# Altium PCB balenaFin_v1_x_x.PcbDoc (part 3 of 7) (continued)
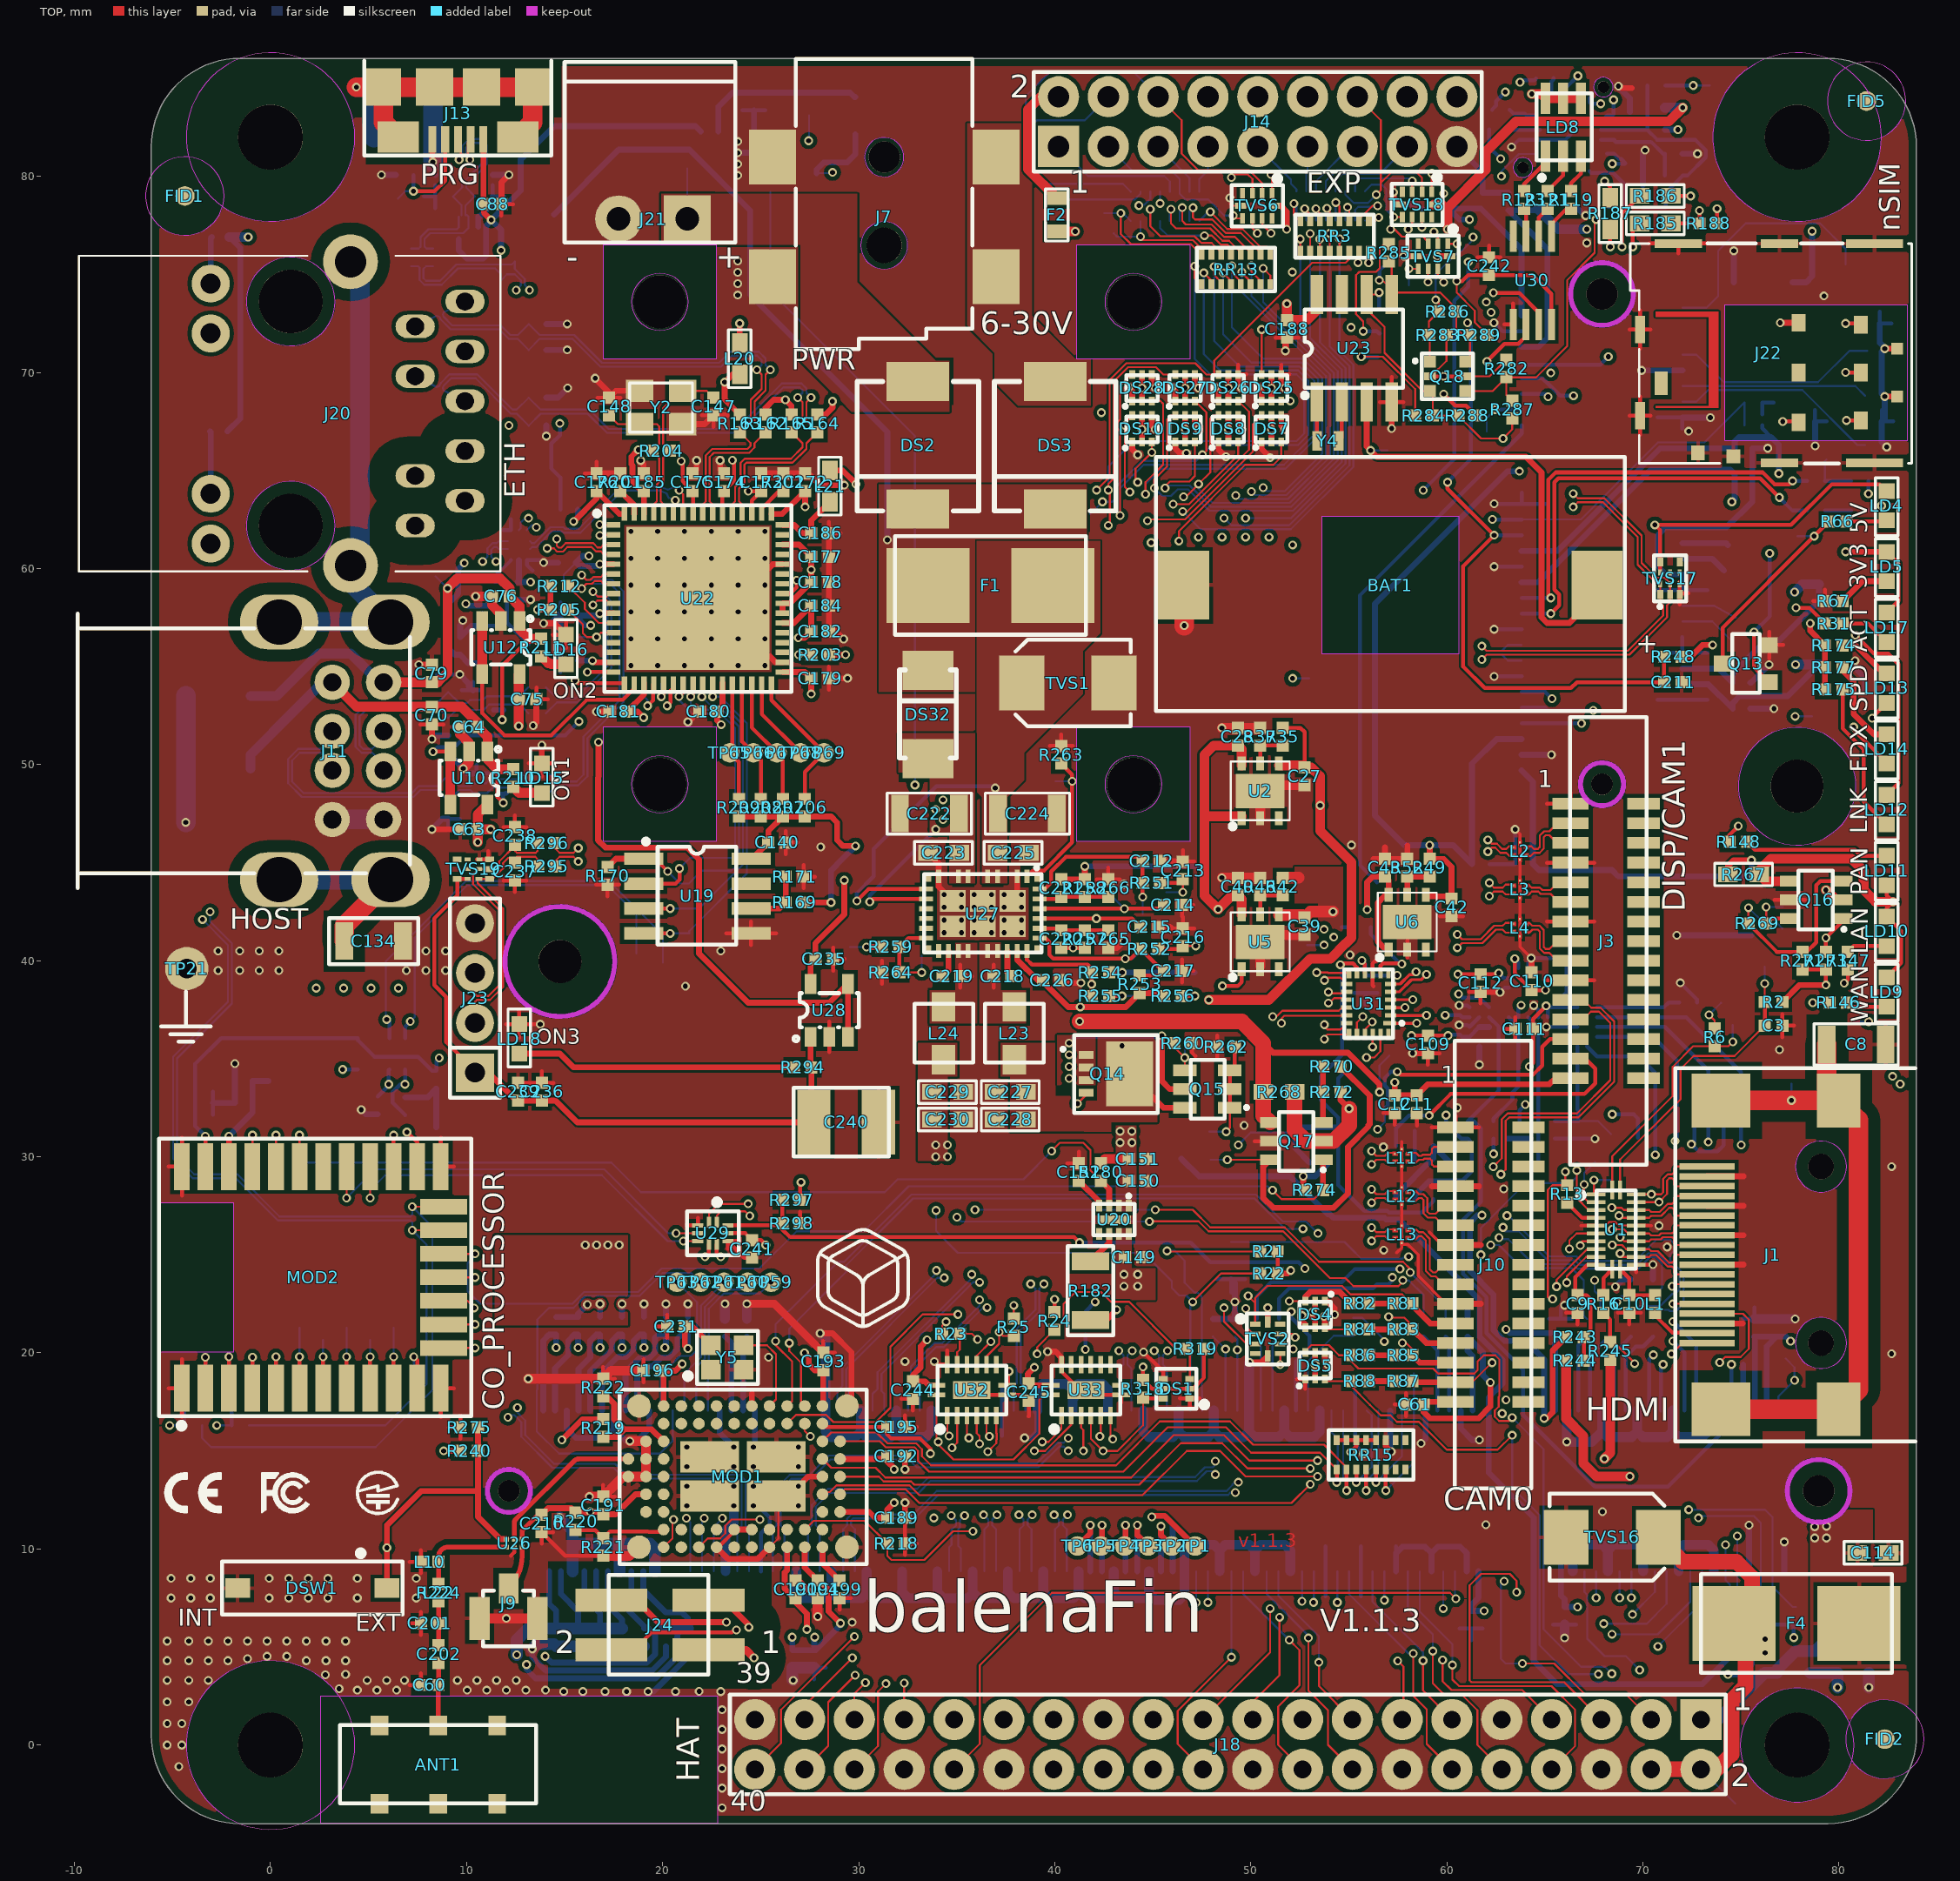
[diagram p0: TOP view]
## Nets (pads, with @x,y where several pads share a name; then routed paths per layer and width w, separated by ;. In a path a pad name is that pad's centre, name@x,y a point inside that pad or via, vN(x,y) a via of type N, cw(c..) or ccw(c..) an arc to the next point about the centre after c; other vN are vias at no path point) (continued)
  TOP w0.1: MOD1.C2@27.25,16.39 27.25,16.02 v1(27.535,15.735)
  INT1 w0.1: v1(62.819,16.904) 62.63,17.094 62.63,17.93 67.53,22.83 v1(67.53,23.7)
  INT2 w0.1: v1(27.535,15.735) 27.535,15.785 28.65,16.9 30.43,16.9 33.23,14.1 33.23,11.658 35.665,9.223 45.98,9.223 46.457,9.7 58.781,9.7 62.63,13.549 62.63,16.6 62.819,16.789 v1(62.819,16.904)
  BOTTOM w0.1: v1(67.53,23.7) 67.53,23.15 pad.1@67.83,22.85 67.83,22.17 R11.2@68.27,21.73
BT_PCM_SYNC: MOD1.D2 R10.2 U33.3 | length 79.3
  TOP w0.1: MOD1.D2@26.35,16.39 26.8,16.84 28.337,16.84 28.707,16.47 30.878,16.47 31.614,17.206 31.614,20.314 33.26,21.96 v1(35.06,21.96) ; v1(38.96,15) 39.5,15 40.84,16.34 U33.3@40.84,16.8
  INT1 w0.1: v1(63.013,17.6) 63.013,18.03 67.583,22.6 v1(68.666,22.6)
  INT2 w0.1: v1(35.06,21.96) 35.06,21.36 33.935,20.235 33.905,20.235 33.685,20.015 33.685,19.985 33.284,19.584 33.284,14.706 35.054,12.936 35.054,12.794 v1(33.839,11.579) 35.995,9.423 45.897,9.423 46.374,9.9 58.698,9.9 62.43,13.632 62.43,17.2 62.83,17.6 v1(63.013,17.6)
  INT4 w0.1: v1(33.839,11.579) 34.068,11.579 34.564,12.076 35.175,12.076 38.1,15 v1(38.96,15)
  BOTTOM w0.2: v1(68.666,22.6) 68.916,22.85 R10.2@69.39,22.85
BT_PCM_SYNC_I2C_SCL: R9.2 U33.4 | length 44.5
  TOP w0.1: U33.4@41.34,16.8 41.34,16.18 41.46,16.06 v1(41.46,15)
  INT4 w0.1: v1(41.46,15) 41.835,14.625 43.125,14.625 47.125,18.625 57.785,18.625 61.16,22 61.16,24.96 62.6,26.4 v1(62.86,26.4)
  BOTTOM w0.1: v1(62.86,26.4) 62.86,26.3 62.96,26.2 63.66,26.2 65.135,24.725 66.521,24.725 66.756,24.49 69.687,24.49 70.272,25.075 70.748,25.075 71.865,23.958 71.865,23.235 71.645,23.015 71.507,23.015 70.882,22.39 69.85,22.39 69.39,21.93 R9.2@69.39,21.73
CAM0_CN: J2.144 U31.14 | length 34.8
  TOP w0.1: v1(53.96,38.4) 54.025,38.335 54.817,38.335 U31.14@54.892,38.41
  INT1 w0.1: v1(35.76,24) 36.022,24.262 36.322,24.262 39.51,27.45 43.457,27.45 52.66,36.654 52.66,37.677 53.186,38.201 53.753,38.2 53.803,38.249 53.809,38.249 v1(53.96,38.4)
  BOTTOM w0.1: J2.144@30.71,17.06 30.71,17.91 30.96,18.16 30.96,19.008 35.76,23.808 v1(35.76,24)
CAM0_CP: J2.142 U31.15 | length 34.5
  TOP w0.1: v1(53.959,37.842) 54.002,37.842 54.245,38.085 54.817,38.085 U31.15@54.892,38.01
  INT1 w0.1: v1(36.16,23.6) 36.422,23.862 36.422,24.079 39.593,27.25 43.539,27.25 52.86,36.571 52.86,37.594 53.268,38.001 53.802,37.999 v1(53.959,37.842)
  BOTTOM w0.1: J2.142@31.31,17.06 31.31,17.91 31.16,18.06 31.16,18.925 35.835,23.6 v1(36.16,23.6)
CAM0_DN0: J2.138 U31.12 | length 35.5
  TOP w0.1: v1(53.36,39.4) 53.926,39.4 53.947,39.378 U31.12@55.01,39.378
  INT3 w0.1: v1(36.16,22.7) 36.182,22.722 36.482,22.722 37.01,23.25 37.01,25.104 42.26,30.354 42.26,32.283 43.577,33.6 46.305,33.6 51.308,38.603 52.763,38.603 53.16,39 53.16,39.2 v1(53.36,39.4)
  BOTTOM w0.1: J2.138@32.51,17.06 32.51,18.01 32.66,18.16 32.66,19.3 33.86,20.5 34.26,20.5 36.16,22.4 v1(36.16,22.7)
CAM0_DN1: J2.150 U31.16 | length 35.9
  TOP w0.1: v1(51.12,37.148) 51.29,37.148 51.308,37.166 51.33,37.166 51.606,37.442 54.482,37.442 54.65,37.61 U31.16@54.892,37.61
  INT1 w0.1: v1(33.96,24.2) 34.235,24.475 34.434,24.475 38.31,28.35 42.636,28.35 50.928,36.641 50.928,36.892 v1(51.12,37.148)
  BOTTOM w0.1: J2.150@28.91,17.06 28.91,18.06 29.16,18.31 29.16,19.26 33.96,24.06 v1(33.96,24.2)
CAM0_DP0: J2.136 U31.13 | length 35
  TOP w0.1: v1(53.76,39) 53.889,39.128 54.573,39.128 U31.13@54.892,38.81
  INT3 w0.1: v1(36.549,22.311) 36.549,22.506 37.21,23.167 37.21,25.021 42.46,30.271 42.46,32.2 43.66,33.4 46.388,33.4 51.391,38.403 52.846,38.403 53.343,38.9 53.66,38.9 v1(53.76,39)
  BOTTOM w0.1: J2.136@33.11,17.06 33.11,17.91 32.86,18.16 32.86,19.217 33.943,20.3 34.343,20.3 36.354,22.311 v1(36.549,22.311)
CAM0_DP1: J2.148 U31.17 | length 35.5
  TOP w0.1: v1(51.56,36.818) 51.56,37.042 51.71,37.192 54.586,37.192 54.641,37.247 54.854,37.247 U31.17@54.892,37.21
  INT1 w0.1: v1(34.361,23.824) 34.623,24.086 34.623,24.38 38.393,28.15 42.719,28.15 51.048,36.478 51.118,36.478 51.328,36.508 v1(51.56,36.818)
  BOTTOM w0.1: J2.148@29.51,17.06 29.51,18.06 29.36,18.21 29.36,18.227 29.36,18.229 29.36,19.177 34.007,23.824 v1(34.361,23.824)
CAM0_SCL: DS1.3 R24.2 R319.2 U33.2 | length 19
  TOP w0.1: v1(39.099,19.947) 39.099,20.289 R24.2@39.99,21.18 40.45,21.64 40.45,22.495 41.06,23.105 42.355,23.105 42.86,22.6 43.793,22.6 46.193,20.2 R319.2@46.71,20.2 46.885,20.025 DS1.3@46.885,18.67 ; v1(39.36,15.46) 39.677,15.46 40.34,16.123 U33.2@40.34,16.8
  INT4 w0.1: v1(39.099,19.947) 39.36,19.686 v1(39.36,15.46)
CAM0_SCL_EXT: R23.1 TVS2.8 U32.14 | length 28
  TOP w0.1: U32.14@35.02,19.4 35.02,20.027 35.16,20.167 R23.1@35.16,20.97 35.775,20.97 v1(36.06,20.685) ; TVS2.8@51.5,20.96 52.1,20.96 v1(52.26,20.8)
  INT3 w0.1: v1(36.06,20.685) 36.06,20.36 37.26,19.16 37.26,14.86 37.895,14.225 45.902,14.225 50.925,19.248 50.925,19.638 52.087,20.8 v1(52.26,20.8)
CAM0_SDA: DS1.6 R26.2 R318.2 U33.5 | length 13.4
  TOP w0.1: U33.5@41.84,16.8 41.84,15.62 v1(42.46,15) 43.2,15 44.5,16.3 R318.2@44.5,17.72
  TOP w0.2: R318.2@44.5,17.72 44.55,17.67 DS1.6@45.535,17.67
  INT3 w0.1: v1(41.56,20.175) 41.56,15.9 v1(42.46,15)
  BOTTOM w0.2: v1(41.56,20.175) R26.2@41.56,20.95
CAM0_SDA_EXT: R25.1 TVS2.7 U32.11 | length 30.1
  TOP w0.1: U32.11@36.52,19.4 36.52,19.82 37.16,20.46 v1(37.16,21.06) 37.36,20.86 R25.1@37.91,20.86 ; TVS2.7@51.5,20.46 51.9,20.46 v1(52.16,20.2)
  INT3 w0.1: v1(37.16,21.06) 35.905,21.06 35.685,20.84 35.685,20.435 37.06,19.06 37.06,14.4 37.435,14.025 45.985,14.025 51.125,19.165 51.125,19.555 51.77,20.2 v1(52.16,20.2)
CAM1_CK+_EXT: J10.9 L13.1 | length 4.4
  TOP w0.1: L13.1@58.03,25.85 58.08,25.8 58.417,25.8 58.567,25.95 58.709,25.95 58.93,25.729 58.93,24.175 59.206,23.9 59.43,23.9 59.83,23.5 J10.9@60.438,23.5
CAM1_CK-_EXT: J10.8 L13.2 | length 4.4
  TOP w0.1: L13.2@58.02,26.25 58.07,26.3 58.417,26.3 58.567,26.15 58.791,26.15 59.13,25.811 59.13,24.258 59.288,24.1 59.43,24.1 59.83,24.5 J10.8@60.438,24.5
CAM1_CN: J2.149 L13.4 | length 42.2
  TOP w0.1: v1(56.16,26.391) 56.401,26.15 56.842,26.15 56.992,26.3 57.3,26.3 L13.4@57.35,26.25
  INT1 w0.1: v1(49.368,13.402) 49.57,13.2 50.347,13.2 56.08,18.933 56.08,24 55.478,24.602 55.478,25.933 55.695,26.15 55.92,26.15 v1(56.16,26.391)
  BOTTOM w0.1: J2.149@29.21,8.86 29.21,11.008 29.41,11.208 29.41,11.543 29.627,11.76 32.777,11.76 33.977,12.96 48.765,12.96 49.069,13.264 49.069,13.301 49.17,13.402 v1(49.368,13.402)
CAM1_CP: J2.147 L13.3 | length 41.7
  TOP w0.1: v1(56.16,25.709) 56.401,25.95 56.842,25.95 56.992,25.8 57.3,25.8 L13.3@57.35,25.85
  INT1 w0.1: v1(49.21,12.875) 49.335,13 50.43,13 56.28,18.85 56.28,24.083 55.678,24.685 55.678,25.85 55.778,25.95 55.92,25.95 v1(56.16,25.709)
  BOTTOM w0.1: J2.147@29.81,8.86 29.81,11.008 29.61,11.208 29.61,11.46 29.71,11.56 32.86,11.56 34.06,12.76 48.848,12.76 48.963,12.875 v1(49.21,12.875)
CAM1_D0+_EXT: J10.3 L11.1 | length 2.8
  TOP w0.1: L11.1@58.03,29.75 58.08,29.7 58.417,29.7 58.567,29.85 58.791,29.85 58.841,29.9 59.136,29.9 59.236,29.8 59.236,29.6 59.335,29.5 J10.3@60.438,29.5
CAM1_D0-_EXT: J10.2 L11.2 | length 2.8
  TOP w0.1: L11.2@58.02,30.15 58.07,30.2 58.417,30.2 58.567,30.05 58.709,30.05 58.759,30.1 59.136,30.1 59.236,30.2 59.236,30.4 59.335,30.5 J10.2@60.438,30.5
CAM1_D1+_EXT: J10.6 L12.1 | length 3.5
  TOP w0.1: L12.1@58.03,27.8 58.08,27.75 58.417,27.75 58.567,27.9 58.709,27.9 58.809,27.8 58.809,27.117 59.026,26.9 59.43,26.9 59.83,26.5 J10.6@60.438,26.5
CAM1_D1-_EXT: J10.5 L12.2 | length 3.5
  TOP w0.1: L12.2@58.02,28.2 58.07,28.25 58.417,28.25 58.567,28.1 58.791,28.1 59.009,27.883 59.009,27.2 59.109,27.1 59.43,27.1 59.83,27.5 J10.5@60.438,27.5
CAM1_DN0: J2.161 L11.4 | length 46.1
  TOP w0.1: v1(56.16,30.291) 56.401,30.05 56.842,30.05 56.992,30.2 57.3,30.2 L11.4@57.35,30.15
  INT1 w0.1: v1(40.689,15.653) 40.889,15.453 41.031,15.453 41.957,16.38 45.49,16.38 47.33,18.22 47.33,21 47.73,21.4 47.73,22.783 54.997,30.05 55.92,30.05 v1(56.16,30.291)
  BOTTOM w0.1: J2.161@25.61,8.86 25.61,11.008 25.81,11.208 25.81,13.11 26.475,13.775 27.492,13.775 28.477,14.76 32.643,14.76 33.043,14.36 39.077,14.36 40.137,15.419 40.456,15.419 v1(40.689,15.653)
CAM1_DN1: J2.155 L12.4 | length 46.3
  TOP w0.1: v1(56.16,28.34) 56.401,28.1 56.842,28.1 56.992,28.25 57.3,28.25 L12.4@57.35,28.2
  INT1 w0.1: v1(48.191,14.476) 48.467,14.2 50.387,14.2 55.23,19.043 55.23,23.617 54.53,24.317 54.53,27.5 55.13,28.1 55.92,28.1 v1(56.16,28.34)
  BOTTOM w0.1: J2.155@27.41,8.86 27.41,11.008 27.61,11.208 27.61,12.243 28.427,13.06 32.977,13.06 33.577,13.66 47.16,13.66 47.66,14.16 48.06,14.16 48.191,14.291 v1(48.191,14.476)
CAM1_DP0: J2.159 L11.3 | length 45.8
  TOP w0.1: v1(56.16,29.609) 56.401,29.85 56.842,29.85 56.992,29.7 57.3,29.7 L11.3@57.35,29.75
  INT1 w0.1: v1(40.689,15) 40.717,15 40.9,15.182 41.043,15.182 42.04,16.18 45.573,16.18 47.53,18.137 47.53,20.917 47.93,21.317 47.93,22.7 55.08,29.85 55.92,29.85 v1(56.16,29.609)
  BOTTOM w0.1: J2.159@26.21,8.86 26.21,11.008 26.01,11.208 26.01,13.027 26.558,13.575 27.575,13.575 28.56,14.56 32.56,14.56 32.96,14.16 39.16,14.16 40.22,15.219 40.461,15.219 40.681,15 v1(40.689,15)
CAM1_DP1: J2.153 L12.3 | length 45.8
  TOP w0.1: v1(56.16,27.66) 56.401,27.9 56.842,27.9 56.992,27.75 57.3,27.75 L12.3@57.35,27.8
  INT1 w0.1: v1(48.191,13.795) 48.396,14 50.47,14 55.43,18.96 55.43,23.7 54.73,24.4 54.73,27.417 55.213,27.9 55.92,27.9 v1(56.16,27.66)
  BOTTOM w0.1: J2.153@28.01,8.86 28.01,11.008 27.81,11.208 27.81,12.16 28.51,12.86 33.06,12.86 33.66,13.46 47.243,13.46 47.743,13.96 48.026,13.96 v1(48.191,13.795)
CAM1_IO0: DS4.3 J2.82 R18.2 R82.2 | length 11.2
  TOP w0.1: v1(51.959,22.641) 51.965,22.635 DS4.3@52.78,22.635
  TOP w0.3: DS4.3@52.78,22.635 52.78,22.864 53.026,23.11 54.53,23.11 R82.2@55.12,22.52
  INT1 w0.1: v1(49.31,20.149) 49.467,20.149 v1(51.959,22.641)
  BOTTOM w0.1: R18.2@49.19,20.83 49.31,20.71 v1(49.31,20.149) J2.82@49.31,17.06
CAM1_IO0_EXT: J10.11 R81.1 TVS2.1 U32.2 | length 33.8
  TOP w0.1: U32.2@34.52,16.8 34.52,15.85 v1(34.61,15.76) ; v1(49.86,22.9) 50.22,22.54 ; TVS2.1@50.22,21.46 50.22,22.54 ; R81.1@58.24,22.52 58.172,22.52 57.712,22.98 55.084,22.98 54.654,23.41 50.84,23.41 50.22,22.79 50.22,22.54
  TOP w0.3: R81.1@58.24,22.52 58.24,22.41 59.15,21.5 J10.11@60.438,21.5
  INT4 w0.1: v1(34.61,15.76) 34.62,15.77 34.62,17.926 37.782,21.087 40.423,21.087 40.636,21.3 46.611,21.3 47.511,22.2 47.96,22.2 48.735,22.975 49.785,22.975 v1(49.86,22.9)
CAM1_IO1: DS4.6 J2.84 R20.2 R84.2 | length 12.1
  TOP w0.1: DS4.6@53.78,21.285 53.865,21.2 R84.2@55.12,21.2
  TOP w0.3: v1(53.73,21.862) 53.73,21.8 53.78,21.75 DS4.6@53.78,21.285
  INT1 w0.1: v1(48.71,20.19) 48.738,20.19 49.155,19.774 49.465,19.774 50.992,21.3 53.23,21.3 53.73,21.8 v1(53.73,21.862)
  BOTTOM w0.1: R20.2@48.07,20.83 v1(48.71,20.19) J2.84@48.71,17.06
CAM1_IO1_EXT: J10.12 R83.1 TVS2.2 U32.5 | length 34.5
  TOP w0.1: U32.5@36.02,16.8 36.02,15.902 36.16,15.762 v1(36.16,15.36) ; v1(49.739,22.261) 49.739,21.339 50.118,20.96 TVS2.2@50.22,20.96 ; v1(57.03,21.835) 57.03,21.8 57.83,21.8 58.24,21.39 R83.1@58.24,21.2
  TOP w0.3: R83.1@58.24,21.2 58.94,20.5 J10.12@60.438,20.5
  INT2 w0.1: v1(49.739,22.261) 49.819,22.261 50.733,23.175 56.672,23.175 57.03,22.817 v1(57.03,21.835)
  INT4 w0.1: v1(36.16,15.36) 36.16,18.9 37.948,20.687 40.589,20.687 40.802,20.9 46.777,20.9 47.677,21.8 49.278,21.8 v1(49.739,22.261)
CAM1_SCL_EXT: J10.13 R85.1 TVS2.3 U32.3 | length 38.2
  TOP w0.1: v1(34.76,15.16) 35.02,15.42 U32.3@35.02,16.8 ; v1(48.63,22.3) 48.63,21.6 49.77,20.46 TVS2.3@50.22,20.46 ; v1(57.73,20.505) 57.73,20.5 57.93,20.5 58.24,20.19 R85.1@58.24,19.88
  TOP w0.3: R85.1@58.24,19.88 58.62,19.5 J10.13@60.438,19.5
  INT2 w0.1: v1(48.63,22.3) 48.63,22.6 49.405,23.375 56.755,23.375 57.73,22.4 v1(57.73,20.505)
  INT4 w0.1: v1(34.76,15.16) 35.06,15.46 35.06,18.083 37.865,20.887 40.506,20.887 40.719,21.1 46.694,21.1 47.594,22 48.33,22 v1(48.63,22.3)
CAM1_SDA_EXT: J10.14 R87.1 TVS2.6 U32.6 | length 48.4
  TOP w0.1: U32.6@36.52,16.8 36.52,15.875 v1(36.66,15.735) ; v1(51.5,19.4) TVS2.6@51.5,19.96 ; J10.14@60.438,18.5 61.29,18.5 62.29,19.5 v1(62.305,19.5)
  TOP w0.3: R87.1@58.24,18.56 58.3,18.5 J10.14@60.438,18.5
  INT2 w0.1: v1(51.5,19.4) 50.63,19.4 48.255,21.775 48.255,22.508 49.447,23.7 56.83,23.7 57.73,22.8 60.43,22.8 62.305,20.925 v1(62.305,19.5)
  INT4 w0.1: v1(36.66,15.735) 36.66,19.117 38.03,20.488 40.672,20.488 40.885,20.7 46.86,20.7 47.76,21.6 49.3,21.6 v1(51.5,19.4)
CAM_DIS_PIN11: J3.11 U32.4 | length 51.5
  TOP w0.1: U32.4@35.52,16.8 35.52,15.76 v1(35.62,15.66) ; v1(62.755,29.105) 63,29.35 63,31.83 63.18,32.01 66.713,32.01 68.53,33.827 68.53,36.904 67.834,37.6 67.37,37.6 66.97,38 J3.11@66.308,38
  INT2 w0.1: v1(35.62,15.66) 35.62,17.537 43.983,25.9 49.713,25.9 50.613,26.8 51.293,26.8 55.403,30.91 60.533,30.91 61.706,29.737 61.706,29.604 62.205,29.105 v1(62.755,29.105)
CAM_DIS_PIN12: J3.12 U32.7 | length 53.8
  TOP w0.1: v1(36.585,14.96) 37.02,15.395 37.02,15.565 37.035,15.58 37.035,15.89 37.02,15.905 U32.7@37.02,16.8 ; v1(62.366,29.494) 62.8,29.928 62.8,31.913 63.097,32.21 66.63,32.21 68.33,33.91 68.33,36.821 67.751,37.4 67.35,37.4 66.95,37 J3.12@66.308,37
  INT2 w0.1: v1(36.585,14.96) 35.79,14.96 35.245,15.505 35.245,17.445 43.9,26.1 49.63,26.1 50.53,27 51.21,27 55.985,31.775 56.615,31.775 57.28,31.11 60.616,31.11 61.847,29.879 61.981,29.879 v1(62.366,29.494)
CAM_DIS_PIN13: J3.13 Q21.3 U32.12 | length 50.5
  TOP w0.1: U32.12@36.02,19.4 36.02,19.856 v1(36.742,20.578)
  TOP w0.2: v1(57.468,34.335) 57.628,34.175 64.384,34.175 64.86,34.651 64.86,35.6 65.26,36 J3.13@66.308,36
  INT3 w0.1: v1(36.742,20.578) 37.342,20.578 38.06,19.86 38.06,15.26 38.695,14.625 44.385,14.625 47.66,17.9 47.66,22.5 53.96,28.8 53.96,29.8 55.26,31.1 56.16,31.1 v1(56.46,31.4)
  BOTTOM w0.1: v1(56.46,31.4) 56.83,31.77 Q21.3@56.83,32.45
  BOTTOM w0.2: Q21.3@56.83,32.45 56.985,32.605 56.985,33.476 56.83,33.631 56.83,34.017 57.148,34.335 v1(57.468,34.335)
CAM_DIS_PIN14: J3.14 Q20.4 U32.9 | length 51.4
  TOP w0.1: U32.9@37.57,18.35 37.67,18.45 37.67,18.593 37.667,18.597 v1(37.667,19.053)
  TOP w0.2: v1(59.095,32.105) 60.19,33.2 67.015,33.2 67.56,33.745 67.56,34.5 67.06,35 J3.14@66.308,35
  INT3 w0.1: v1(37.667,19.053) 37.667,14.736 37.978,14.425 44.468,14.425 47.86,17.817 47.86,22.417 54.16,28.717 54.16,29.717 55.343,30.9 57.843,30.9 59.048,32.105 v1(59.095,32.105)
  BOTTOM w0.2: Q20.4@57.41,30.55 57.41,31.45 58.06,32.1 59.06,32.1 59.065,32.105 v1(59.095,32.105)
CM3_RX: R15.2 U29.2 | length 42.8
  TOP w0.1: U29.2@22.36,26.668 22.36,27.1 22.86,27.6 v1(24.36,27.6) ; v1(44.83,26.7) 44.839,26.709 47.339,26.709 47.847,26.2 51.645,26.2 54.035,23.81 54.82,23.81 55.23,23.4 57.53,23.4 57.745,23.615 v1(57.745,23.696)
  INT1 w0.1: v1(24.36,27.6) 27.76,24.2 31.33,24.2 33.73,26.6 34.7,26.6 v1(35.015,26.915)
  BOTTOM w0.1: v1(35.015,26.915) 35.23,26.7 v1(44.83,26.7) ; v1(57.745,23.696) 58.065,23.696 58.81,22.95 R15.2@58.81,21.73
CM3_TX: R14.2 U29.1 | length 43
  TOP w0.1: U29.1@22.76,26.668 22.76,27 22.98,27.22 24.209,27.22 v1(24.445,26.985) ; v1(45.13,27.3) 47.03,27.3 47.93,26.4 51.728,26.4 53.477,24.651 57.761,24.651 58.13,24.282 v1(58.13,24.1)
  INT1 w0.1: v1(24.445,26.985) 27.43,24 31.413,24 33.813,26.4 35.03,26.4 v1(35.93,27.3)
  BOTTOM w0.1: v1(35.93,27.3) v1(45.13,27.3) ; v1(58.13,24.1) 59.93,22.3 R14.2@59.93,21.73
D+_DBG: C87.1 J13.3 R115.2 TVS5.2 | length 11.9
  TOP w0.1: J13.3@9.56,81.875 9.71,81.725 9.71,80.939 v1(9.619,80.848)
  BOTTOM w0.1: R115.2@8.29,76.31 7.957,76.31 7.857,76.41 7.857,76.814 8.143,77.1 9.83,77.1 10.1,77.37 TVS5.2@10.1,77.42 TVS5.2@10.1,77.945 10.018,78.027 9.943,78.027 9.943,78.513 10.4,78.97 C87.1@10.43,78.97 9.986,79.414 9.986,79.556 10.94,80.51 10.94,80.527 11.03,80.617 11.03,81.583 10.713,81.9 10.13,81.9 9.78,81.55 9.78,81.009 v1(9.619,80.848)
D+_HOST1: C69.1 J11.3 R91.2 TVS3.2 | length 17.1
  BOTTOM w0.1: J11.3@3.15,49.7 3.15,50.02 2.57,50.6 1.5,50.6 1.1,50.2 1.1,49.13 1.68,48.55 7.21,48.55 7.56,48.9 8.51,48.9 C69.1@9.07,49.46 9.63,48.9 10.2,48.9 10.35,49.05 TVS3.2@10.425,49.05 TVS3.2@10.95,49.05 11,49.05 11.207,49.257 12.687,49.257 R91.2@13.13,49.7
D+_HOST2: C78.1 J11.7 R109.2 TVS4.2 | length 13.6
  BOTTOM w0.1: J11.7@5.77,49.7 5.77,50.02 5.19,50.6 4.646,50.6 4.34,50.906 4.34,52.533 4.947,53.14 8.51,53.14 C78.1@9.07,53.7 9.63,53.14 10.03,53.14 10.18,53.29 TVS4.2@10.25,53.29 10.775,53.3 TVS4.2@10.8,53.3 ; TVS4.2@10.775,53.29 10.825,53.29 11.025,53.49 12.69,53.49 12.7,53.5 R109.2@13.15,53.94
D+_HOST_INT: C238.1 J23.3 R296.2 TVS19.2 | length 13.6
  TOP w0.1: J23.3@10.43,39.37 10.43,38.3 10.53,38.2 11.117,38.2 11.66,38.743 11.66,42.577 10.33,43.907 10.33,44.4 10.6,44.67 TVS19.2@10.65,44.67 TVS19.2@11.175,44.67 11.209,44.704 11.577,44.704 11.66,44.787 11.66,45.06 C238.1@12.47,45.87 ; C238.1@12.47,45.91 C238.1@12.47,45.87 ; R296.2@13.62,45.99 13.62,45.597 13.52,45.497 12.57,45.497 12.47,45.597 C238.1@12.47,45.87
D-_DBG: C86.1 J13.2 R114.2 TVS5.1 | length 10.9
  TOP w0.1: v1(10.169,80.848) 10.06,80.957 10.06,81.725 J13.2@10.21,81.875
  BOTTOM w0.1: R114.2@7.17,76.31 7.557,76.31 7.657,76.41 7.657,76.897 8.06,77.3 9.505,77.3 TVS5.1@9.6,77.395 TVS5.1@9.6,77.945 ; TVS5.1@9.743,78.013 9.743,78.537 C86.1@9.31,78.97 9.77,79.43 9.77,79.64 10.83,80.7 10.83,81.5 10.63,81.7 10.213,81.7 9.98,81.467 9.98,81.037 v1(10.169,80.848)
D-_HOST1: C68.1 J11.2 R92.2 TVS3.1 | length 17.7
  BOTTOM w0.1: J11.2@3.15,51.7 3.15,51.39 2.56,50.8 1.417,50.8 0.9,50.283 0.9,49.047 1.597,48.35 7.293,48.35 7.643,48.7 8.51,48.7 C68.1@9.07,48.14 9.63,48.7 10.2,48.7 10.35,48.55 TVS3.1@10.975,48.55 11.05,48.55 11.325,48.825 12.685,48.825 R92.2@13.13,48.38
D-_HOST2: C77.1 J11.6 R108.2 TVS4.1 | length 13
  BOTTOM w0.1: J11.6@5.77,51.7 5.77,51.39 5.18,50.8 4.729,50.8 4.54,50.989 4.54,52.45 5.03,52.94 8.51,52.94 C77.1@9.07,52.38 9.63,52.94 10.03,52.94 10.18,52.79 TVS4.1@10.8,52.79 10.875,52.79 11.152,53.067 12.727,53.067 12.784,53.011 R108.2@13.15,52.62
D-_HOST_INT: C237.1 J23.2 R295.2 TVS19.1 | length 13.3
  TOP w0.1: J23.2@10.43,36.83 10.43,37.9 10.53,38 11.2,38 11.86,38.66 11.86,42.66 10.56,43.96 10.56,44.17 TVS19.1@10.625,44.17 TVS19.1@11.175,44.17 11.265,44.26 11.416,44.26 11.777,44.621 11.86,44.704 11.86,44.977 12.129,45.246 12.318,45.246 C237.1@12.47,45.094 ; C237.1@12.47,44.99 C237.1@12.47,45.094 ; R295.2@13.64,44.81 13.64,45.16 13.503,45.297 12.57,45.297 12.47,45.197 C237.1@12.47,45.094
DBG_UP-RX_DEV-TX: DS26.6 MOD2.6 pad.1@1.48,21.27 RR3.5 | length 125.9
  TOP w0.1: v1(46.521,62.909) 46.752,62.909 49.905,66.062 49.905,67.99 DS26.6@49.35,68.545 ; RR3.5@54.52,76.2 v1(54.52,76.81)
  TOP w0.2: MOD2.6@1.48,18.2 v1(1.48,19.8)
  INT2 w0.1: v1(1.48,19.8) 1.48,15.948 7.528,9.9 17.081,9.9 20.18,12.999 20.18,16.199 21.881,17.9 29.981,17.9 31.03,18.949 31.03,27.685 32.03,28.686 32.03,49.219 44.875,62.064 45.907,62.064 46.521,62.678 v1(46.521,62.909)
  BOTTOM w0.1: v1(1.48,19.8) pad.1@1.48,21.27 ; v1(46.521,62.909) 47.43,62 52.042,62 55.23,65.188 55.23,70.395 54.52,71.105 v1(54.52,76.81)
DBG_UP-RX_DEV-TX_EXT: J14.12 RR2.13 TVS18.1 | length 15.5
  TOP w0.1: TVS18.1@59.23,79.2 v1(59.23,80.15)
  INT2 w0.1: J14.12@52.89,84.06 54.09,82.86 54.09,81.163 54.933,80.32 59.06,80.32 v1(59.23,80.15)
  BOTTOM w0.1: RR2.13@54.32,79.24 54.32,79.79 54.65,80.12 56.853,80.12 56.883,80.15 v1(59.23,80.15)
DBG_UP-TX_DEV-RX: DS26.3 MOD2.5 pad.1@0.28,18.948 RR3.6 | length 120.6
  TOP w0.1: v1(42.13,64) 42.795,64.665 42.795,69.61 43.655,70.47 47.162,70.47 47.737,69.895 48.13,69.895 ; DS26.3@48.35,69.895 48.13,69.895 ; RR3.6@55.02,76.2 55.02,75.79 54.828,75.598 53.128,75.598 48.13,70.6 48.13,69.895
  TOP w0.2: MOD2.5@0.28,18.2 v1(0.28,19.8)
  INT1 w0.1: v1(42.13,64) 42.055,63.925 42.055,62.275 43.013,61.317 v1(44.913,61.317)
  INT2 w0.1: v1(0.28,19.8) 0.28,16.865 7.445,9.7 17.164,9.7 20.38,12.916 20.38,16.116 21.964,17.7 30.064,17.7 31.23,18.866 31.23,27.603 32.23,28.603 32.23,49.136 44.394,61.3 44.896,61.3 v1(44.913,61.317)
  BOTTOM w0.1: pad.1@0.28,18.948 v1(0.28,19.8)
DBG_UP-TX_DEV-RX_EXT: J14.14 RR2.14 TVS18.2 | length 10.9
  TOP w0.1: J14.14@55.43,84.06 56.63,82.86 56.63,79.67 ; v1(56.395,79.065) 56.63,79.3 56.63,79.67 ; TVS18.2@58.73,79.2 58.73,79.93 58.46,80.2 57.16,80.2 56.63,79.67
  BOTTOM w0.1: RR2.14@54.82,79.24 54.82,79.067 55.247,78.64 55.97,78.64 v1(56.395,79.065)
DISP_CLK+_CAM0_D1+_EXT: J3.6 L3.4 | length 2.5
  TOP w0.1: L3.4@64.06,43.43 64.11,43.38 64.18,43.38 64.33,43.53 64.656,43.53 64.786,43.4 65.29,43.4 65.69,43 J3.6@66.308,43
DISP_CLK-_CAM0_D1-_EXT: J3.5 L3.3 | length 2.5
  TOP w0.1: L3.3@64.06,43.83 64.11,43.88 64.17,43.88 64.32,43.73 64.739,43.73 64.869,43.6 65.28,43.6 65.68,44 J3.5@66.308,44
DISP_D0+_CAM0_CK+_EXT: J3.9 L4.4 | length 3.5
  TOP w0.1: L4.4@64.06,41.48 64.11,41.43 64.21,41.43 64.36,41.58 64.639,41.58 64.739,41.48 64.739,40.617 64.956,40.4 65.23,40.4 65.63,40 J3.9@66.308,40
DISP_D0-_CAM0_CK-_EXT: J3.8 L4.3 | length 3.5
  TOP w0.1: L4.3@64.06,41.88 64.11,41.93 64.2,41.93 64.35,41.78 64.721,41.78 64.939,41.563 64.939,40.7 65.039,40.6 65.23,40.6 65.63,41 J3.8@66.308,41
DISP_D1+_CAM0_D0+_EXT: J3.3 L2.4 | length 3.2
  TOP w0.1: L2.4@64.06,45.38 64.11,45.33 64.26,45.33 64.43,45.5 64.721,45.5 64.939,45.717 64.939,46.3 65.039,46.4 65.23,46.4 65.63,46 J3.3@66.308,46
DISP_D1-_CAM0_D0-_EXT: J3.2 L2.3 | length 3.2
  TOP w0.1: L2.3@64.06,45.78 64.11,45.83 64.3,45.83 64.43,45.7 64.639,45.7 64.739,45.8 64.739,46.383 64.956,46.6 65.23,46.6 65.63,47 J3.2@66.308,47
DSI1_CN: J2.102 U31.23 | length 26
  TOP w0.1: v1(55.899,35.061) 56.293,35.061 56.61,35.378 U31.23@56.61,36.241
  INT3 w0.1: v1(43.27,20.112) 43.27,20.483 43.535,20.748 43.535,21.517 46.61,24.592 46.61,26.593 54.676,34.659 55.918,34.659 56.059,34.801 56.059,34.901 v1(55.899,35.061)
  BOTTOM w0.1: v1(43.27,20.112) 43.51,19.872 43.51,19.408 43.31,19.208 J2.102@43.31,17.06
DSI1_CN_CAM0_DN1: L3.1 U31.2 | length 16.6
  TOP w0.1: v1(62.161,43.97) 62.402,43.73 62.843,43.73 62.993,43.88 63.33,43.88 L3.1@63.38,43.83
  TOP w0.15: U31.2@57.129,37.21 v1(58.96,37.21)
  INT3 w0.15: v1(58.96,37.21) 59.191,36.921 59.161,36.646 59.41,36.335 59.41,35.65 59.71,35.35 61.056,35.35 61.36,35.654 61.36,42 60.898,42.462 60.898,43.459 61.194,43.755 61.575,43.755 61.791,43.97 v1(62.161,43.97)
DSI1_CP: J2.100 U31.22 | length 25.5
  TOP w0.1: v1(56.21,35.6) U31.22@56.21,36.241
  INT3 w0.1: v1(43.951,20.112) 43.951,20.483 43.735,20.698 43.735,21.434 46.81,24.509 46.81,26.51 54.759,34.459 56.001,34.459 56.201,34.659 56.36,34.819 56.36,35.45 v1(56.21,35.6)
  BOTTOM w0.1: J2.100@43.91,17.06 43.91,19.208 43.71,19.408 43.71,19.872 v1(43.951,20.112)
DSI1_CP_CAM0_DP1: L3.2 U31.1 | length 16.4
  TOP w0.1: v1(62.161,43.289) 62.402,43.53 62.843,43.53 62.993,43.38 63.34,43.38 L3.2@63.39,43.43
  TOP w0.15: U31.1@57.079,36.81 v1(58.46,36.81)
  INT3 w0.15: v1(58.46,36.81) 58.692,36.521 58.966,36.49 59.16,36.247 59.16,35.546 59.606,35.1 61.16,35.1 61.61,35.55 61.61,42.104 61.148,42.566 61.148,43.355 61.298,43.505 61.575,43.505 61.791,43.289 v1(62.161,43.289)
DSI1_DN0: J2.96 U31.21 | length 27.3
  TOP w0.1: U31.21@55.81,36.241 55.81,36.483 56.16,36.833 56.16,36.852 v1(56.191,36.883)
  INT3 w0.1: v1(45.07,20.112) 45.07,20.483 45.285,20.698 45.285,22.204 47.71,24.629 47.71,26.55 54.66,33.5 55.66,33.5 57.212,35.052 57.212,36.498 56.677,37.033 56.341,37.033 v1(56.191,36.883)
  BOTTOM w0.1: v1(45.07,20.112) 45.31,19.872 45.31,19.408 45.11,19.208 J2.96@45.11,17.06
DSI1_DN0_CAM0_CN: L4.1 U31.4 | length 9.1
  TOP w0.1: v1(60.53,41.34) 60.771,41.1 61.73,41.1 62.41,41.78 62.843,41.78 62.993,41.93 63.33,41.93 L4.1@63.38,41.88
  TOP w0.15: U31.4@57.129,38.01 v1(58.26,38.01)
  INT3 w0.1: v1(58.26,38.01) v1@58.377,38.127
  INT3 w0.15: v1@58.377,38.127 58.43,38.18 58.536,38.18 59.41,39.054 59.41,40.751 59.759,41.1 60.29,41.1 v1(60.53,41.34)
DSI1_DN1: J2.120 U31.18 | length 30.9
  TOP w0.1: v1(53.749,36.734) 53.749,36.642 53.9,36.492 54.574,36.492 U31.18@54.892,36.81
  INT3 w0.1: v1(38.77,23.513) 38.77,23.883 39.035,24.148 39.035,25.375 42.16,28.5 45.331,28.5 47.71,30.879 47.71,32.679 50.881,35.85 52.41,35.85 53.033,36.473 53.489,36.473 v1(53.749,36.734)
  BOTTOM w0.1: J2.120@37.91,17.06 37.91,18.31 38.06,18.46 38.06,21.243 39.01,22.193 39.01,23.272 v1(38.77,23.513)
DSI1_DN1_CAM0_DN0: L2.1 U31.6 | length 12.6
  TOP w0.1: v1(62.089,46.161) 62.288,45.963 62.55,45.963 62.813,45.7 63.03,45.7 63.16,45.83 63.33,45.83 L2.1@63.38,45.78
  TOP w0.15: U31.6@57.129,38.81 57.616,38.81 58.09,39.283 58.276,39.283 v1(58.426,39.433)
  INT3 w0.15: v1(58.426,39.433) 58.61,39.617 58.61,39.996 58.16,40.446 58.16,43.654 60.494,45.988 61.546,45.988 61.719,46.161 v1(62.089,46.161)
DSI1_DP0: J2.94 U31.20 | length 28.4
  TOP w0.1: U31.20@55.41,36.241 55.41,36.85 v1(55.71,37.15)
  INT3 w0.1: v1(45.751,20.112) 45.751,20.483 45.485,20.748 45.485,22.121 47.91,24.546 47.91,26.467 54.743,33.3 55.743,33.3 57.412,34.97 57.412,36.581 56.76,37.233 56.371,37.233 56.346,37.258 55.81,37.258 55.71,37.158 v1(55.71,37.15)
  BOTTOM w0.1: J2.94@45.71,17.06 45.71,19.208 45.51,19.408 45.51,19.872 v1(45.751,20.112)
DSI1_DP0_CAM0_CP: L4.2 U31.3 | length 9.2
  TOP w0.1: v1(60.53,40.659) 60.771,40.9 61.813,40.9 62.493,41.58 62.843,41.58 62.993,41.43 63.34,41.43 L4.2@63.39,41.48
  TOP w0.15: U31.3@57.129,37.61 v1(57.86,37.61)
  INT3 w0.15: v1(57.86,37.61) 58.426,37.61 58.713,37.897 58.713,38.003 59.66,38.95 59.66,40.647 59.863,40.85 60.34,40.85 v1(60.53,40.659)
DSI1_DP1: J2.118 U31.19 | length 30.6
  TOP w0.1: v1(53.749,35.999) 53.749,36.092 53.899,36.242 54.677,36.242 ; 54.678,36.241 U31.19@55.01,36.241
  INT3 w0.1: v1(39.451,23.513) 39.451,23.883 39.235,24.098 39.235,25.292 42.243,28.3 45.414,28.3 47.91,30.796 47.91,32.596 50.964,35.65 52.493,35.65 53.116,36.273 53.475,36.273 v1(53.749,35.999)
  BOTTOM w0.1: J2.118@38.51,17.06 38.51,18.21 38.26,18.46 38.26,21.16 39.21,22.11 39.21,23.272 v1(39.451,23.513)
DSI1_DP1_CAM0_DP0: L2.2 U31.5 | length 12.9
  TOP w0.1: v1(62.089,45.565) 62.288,45.763 62.467,45.763 62.73,45.5 63.03,45.5 63.2,45.33 63.34,45.33 L2.2@63.39,45.38
  TOP w0.15: U31.5@57.129,38.41 57.57,38.41 58.193,39.033 58.693,39.033 v1(58.96,39.3)
  INT3 w0.15: v1(58.96,39.3) 58.86,39.4 58.86,40.1 58.41,40.55 58.41,43.55 60.598,45.738 61.546,45.738 61.719,45.565 v1(62.089,45.565)
EE_CLK: pad.1@21.56,45.24 U19.2 U22.23 | length 16.5
  TOP w0.2: U19.2@19.03,43.93 20.66,43.93 20.86,44.13 v1(20.86,44.7) ; v1(20.835,53.471) 21.05,53.686 U22.23@21.05,54.16
  BOTTOM w0.1: v1(20.835,53.471) 20.835,53.295 21.53,52.6 22.953,52.6 23.692,51.862 23.692,45.34 23.592,45.24 pad.1@21.56,45.24 21.4,45.24 v1(20.86,44.7)
EE_CS: pad.1@21.33,43.94 R170.2 U19.1 U22.24 | length 18.8
  TOP w0.2: U19.1@19.03,45.2 19.62,45.2 v1(20.26,44.56) ; v1(21.432,53.463) 21.432,53.502 21.55,53.62 U22.24@21.55,54.16
  TOP w0.3: R170.2@17.19,44.77 17.62,45.2 U19.1@19.03,45.2
  BOTTOM w0.1: v1(20.26,44.56) 20.88,43.94 pad.1@21.33,43.94 21.98,44.59 23.503,44.59 23.892,44.979 23.892,51.945 23.036,52.8 21.73,52.8 21.432,53.098 v1(21.432,53.463)
EE_DI: pad.1@21.36,41.39 U19.4 U22.26 | length 17.3
  TOP w0.2: U19.4@19.03,41.39 v1(20.384,41.39) ; v1(22.55,53.463) U22.26@22.55,54.16
  BOTTOM w0.1: v1(20.384,41.39) pad.1@21.36,41.39 21.36,41.51 24.292,44.442 24.292,52.11 22.939,53.463 v1(22.55,53.463)
EE_DO: pad.1@21.36,42.66 U19.3 U22.25 | length 16.5
  TOP w0.2: U19.3@19.03,42.66 v1(20.384,42.66) ; v1(22,53.459) 22.05,53.509 U22.25@22.05,54.16
  BOTTOM w0.1: v1(20.384,42.66) pad.1@21.36,42.66 21.856,42.66 24.092,44.896 24.092,52.028 23.119,53 22.459,53 v1(22,53.459)
EMMC_CLK: J2.10 U17.M6 U17.N7 U17.P7 | length 35.7
  INT1 w0.2: v1(60.597,38.296) 60.673,38.22 61.21,38.22 63.7,35.73 71.2,35.73 77.06,29.87 77.06,21.962 v1(74.51,19.412)
  BOTTOM w0.2: v1(60.597,38.296) 60.773,38.12 U17.P7@61.15,38.12 U17.N7@61.65,38.12 U17.M6@62.15,37.62 ; J2.10@74.51,17.06 v1(74.51,19.412)
EMMC_CMD: J2.12 pad.1@63.88,19.143 R134.1 U17.L1 U17.L2 U17.L3 U17.M5 | length 38.1
  BOTTOM w0.2: R134.1@61.06,31.82 R134.1@61.068,31.812 ; U17.M5@62.15,37.12 62.65,36.62 U17.L3@62.65,36.12 U17.L2@62.65,35.62 U17.L1@62.65,35.12 62.65,33.393 R134.1@61.068,31.812 ; 73.91,18.06 J2.12@73.91,17.06 73.91,15.81 71.27,13.17 67.55,13.17 63.88,16.84 pad.1@63.88,19.143 62.02,21.003 62.02,22.835 60.83,24.025 60.83,26.8 61.73,27.7 61.73,31.46 61.378,31.812 R134.1@61.068,31.812